# Allegro board R8-DEV-V1.0_FINAL.brd (continued)
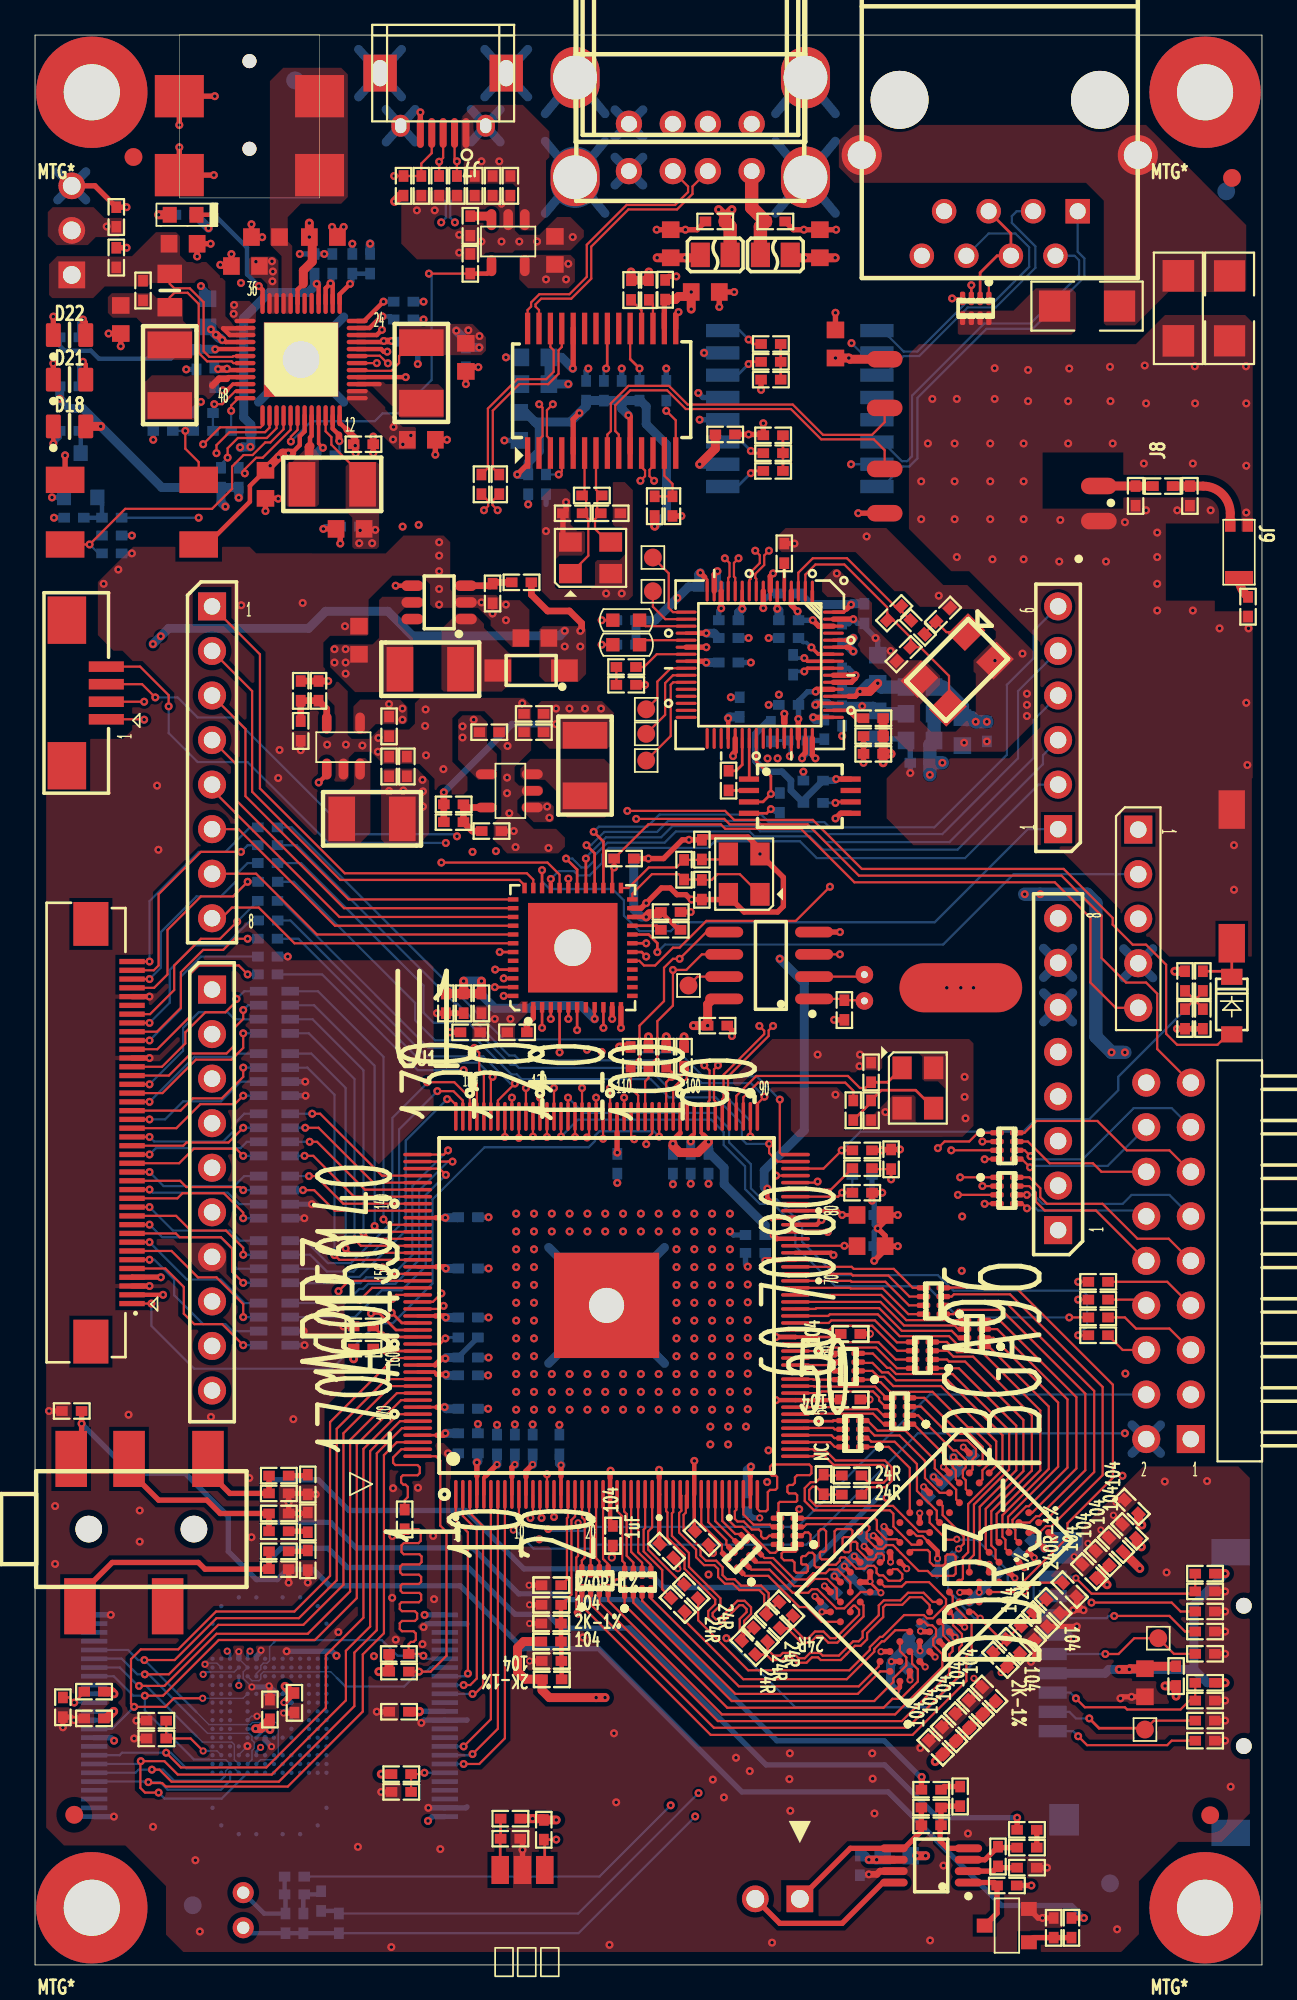
[diagram p0: board, top side]
## Nets (continued)
LCD-BL-EN: J3.31(DISP) R142.1 U33.18(GPIO1)
LCD-CLK: R131.2 U1.129(LCD_CLK)
LCD-D2: RN26.2(R2) U1.148(LCD_D2)
LCD-D3: RN26.1(R1) U1.147(LCD_D3)
LCD-D4: RN27.4(R4) U1.146(LCD_D4)
LCD-D5: RN27.3(R3) U1.145(LCD_D5)
LCD-D6: RN27.2(R2) U1.144(LCD_D6)
LCD-D7: RN27.1(R1) U1.143(LCD_D7)
LCD-D10: RN24.2(R2) U1.141(LCD_D10)
LCD-D11: RN24.1(R1) U1.140(LCD_D11)
LCD-D12: RN25.4(R4) U1.139(LCD_D12)
LCD-D13: RN25.3(R3) U1.138(LCD_D13)
LCD-D14: RN25.2(R2) U1.137(LCD_D14)
LCD-D15: RN25.1(R1) U1.136(LCD_D15)
LCD-D18: RN21.2(R2) U1.135(LCD_D18)
LCD-D19: RN21.1(R1) U1.134(LCD_D19)
LCD-D20: RN23.4(R4) U1.133(LCD_D20)
LCD-D21: RN23.3(R3) U1.132(LCD_D21)
LCD-D22: RN23.2(R2) U1.131(LCD_D22)
LCD-D23: RN23.1(R1) U1.130(LCD_D23)
LCD-DE: R134.2 U1.128(LCD_DE)
LCD-HSYNC: R132.2 U1.127(LCD_HSYNC)
LCD-VSYNC: R133.2 U1.126(LCD_VSYNC)
LINK: D17.2(CATHODE) U41.19(MFA_2 / RMII_N)
LRADC: C179.2 C308.2 D20.1(ANODE) R181.2 R182.1 U1.86(LRADC)
MICIN1: C313.2 U1.84(MICIN1)
MICM: C178.1 C311.1 C312.1 C315.1 MIC1.2(-) R95.2
MISO: J11.5 U43.7(PTE20)
MOSI: J11.4 U43.6(PTE19)
NALE: U1.7(NALE/SPI0_MISO) U36.17(ALE)
NCE0-N: U1.2(NCE0) U36.9(CE1#)
NCE1-N: U1.3(NCE1/SPI0_CS0) U36.10(CE2#)
NCLE: U1.6(NCLE/SPI0_CLK) U36.16(CLE)
NDQ0: U1.174(NDQ0/SDC2_D0) U36.29(IO0) U37.H3(DAT0)
NDQ1: U1.172(NDQ1/SDC2_D1) U36.30(IO1) U37.H4(DAT1)
NDQ2: U1.171(NDQ2/SDC2_D2) U36.31(IO2) U37.H5(DAT2)
NDQ3: U1.170(NDQ3/SDC2_D3) U36.32(IO3) U37.J2(DAT3)
NDQ4: U1.168(NDQ4/SDC2_D4) U36.41(IO4) U37.J3(DAT4)
NDQ5: U1.167(NDQ5/SDC2_D5) U36.42(IO5) U37.J4(DAT5)
NDQ6: U1.166(NDQ6/SDC2_D6) U36.43(IO6) U37.J5(DAT6)
NDQ7: U1.165(NDQ7/SDC2_D7) U36.44(IO7) U37.J6(DAT7)
NDQS: U1.162(NDQS) U36.35(NC16) U37.U5(RSTN)
NMI-N: R115.1 U1.158(NMI_N) U31.3(NINT) U33.48(IRQ)
NMI_B: R180.2 U43.21(PTA4)
NRB0-N: R124.2 U1.176(NRB0/SDC2_CMD) U36.7(RB1#) U37.W5(CMD)
NRB1-N: R122.1 U1.175(NRB1/SDC2_CLK)
NRB1-NAND: R122.2 R125.2 U36.6(RB2#) U37.W6(CLKM)
NRE-N: U1.1(NRE) U36.8(RE#)
NWE-N: U1.8(NWE/SPI0_MOSI) U36.18(WE#)
NWP-N: C248.2 R126.2 U36.19(WP#)
ODT: RN19.4(R4) U29.K1(ODT)
PA-SHDN: R190.1 U33.19(GPIO0/LDO)
PCLK: J4.7 R129.2
PWM0: J3.1(VLED-) U1.103(PB2/EINT16)
RAS: RN16.3(R3) U29.J3(RAS#)
RESET: C305.2 J12.3 J14.5 R178.2 U43.26(PTA20)
RESET-N: C180.2 C241.2 R118.1 U1.159(RESET_N) U33.25(PWROK)
RESET_16710505: C260.2 R156.1 U39.13(RESET#)
RESET_N: C273.2 R169.2 U41.45(RESET_N)
RST: RN19.2(R2) U29.T2(RESET)
RTCVDD: C204.2 C227.2 R115.2 U31.8(VDD) U33.28(LDO1)
RXIN: R173.2 T1.8(RD-) U41.10(RXIN)
RXIP: R172.2 T1.6(RD+) U41.9(RXIP)
SA0: RN17.5(R5) U1.64(DDR3_A0)
SA1: RN15.7(R7) U1.52(DDR3_A1)
SA2: RN18.7(R7) U1.66(DDR3_A2)
SA3: RN18.8(R8) U1.65(DDR3_A3)
SA4: RN15.8(R8) U1.51(DDR3_A4)
SA5: RN18.6(R6) U1.67(DDR3_A5)
SA6: RN15.6(R6) U1.54(DDR3_A6)
SA7: RN19.6(R6) U1.71(DDR3_A7)
SA8: RN15.5(R5) U1.55(DDR3_A8)
SA9: RN19.8(R8) U1.69(DDR3_A9)
SA10: RN4.7(R7) U1.48(DDR3_A10)
SA11: RN16.8(R8) U1.56(DDR3_A11)
SA12: RN4.5(R5) U1.50(DDR3_A12)
SA13: RN18.5(R5) U1.68(DDR3_A13)
SA14: RN16.7(R7) U1.57(DDR3_A14)
SBA0: RN17.6(R6) U1.63(DDR3_BA0)
SBA1: RN4.6(R6) U1.49(DDR3_BA1)
SBA2: RN17.7(R7) U1.61(DDR3_BA2)
SCAS: RN16.5(R5) U1.59(DDR3_CAS)
SCK: J11.6 U43.5(PTE18)
SCK-N: R68.2 U1.46(DDR3_CK_N)
SCK_204080: R65.2 U1.45(DDR3_CK)
SCKE: RN4.8(R8) U1.47(DDR3_CKE)
SD0-CLK: D9.1(ANODE) J5.5(CLK) TP2.1(TP) U1.110(SDC0_CLK)
SD0-CMD: D10.1(ANODE) J5.3(CMD) R140.2 U1.111(SDC0_CMD)
SD0-D0: D5.1(ANODE) J5.7(DAT0) U1.108(SDC0_D0)
SD0-D1: D6.1(ANODE) J5.8(DAT1) U1.107(SDC0_D1)
SD0-D2: D7.1(ANODE) J5.1(DAT2) U1.113(SDC0_D2)
SD0-D3: D8.1(ANODE) J5.2(DAT3) TP3.1(TP) U1.112(SDC0_D3)
SD0-DET: D11.1(ANODE) J5.9(CD#) R138.2 U1.155(PG0/EINT0)
SDQ0: RN3.5(R5) U1.22(DDR3_D0)
SDQ1: RN1.8(R8) U1.40(DDR3_D1)
SDQ2: RN3.6(R6) U1.21(DDR3_D2)
SDQ3: RN1.7(R7) U1.41(DDR3_D3)
SDQ4: RN3.8(R8) U1.19(DDR3_D4)
SDQ5: RN1.5(R5) U1.44(DDR3_D5)
SDQ6: RN3.7(R7) U1.20(DDR3_D6)
SDQ7: RN1.6(R6) U1.42(DDR3_D7)
SDQ8: RN5.7(R7) U1.37(DDR3_D8)
SDQ9: RN6.7(R7) U1.25(DDR3_D9)
SDQ10: RN5.5(R5) U1.39(DDR3_D10)
SDQ11: RN6.8(R8) U1.24(DDR3_D11)
SDQ12: RN5.8(R8) U1.36(DDR3_D12)
SDQ13: RN6.6(R6) U1.26(DDR3_D13)
SDQ14: RN5.6(R6) U1.38(DDR3_D14)
SDQ15: RN6.5(R5) U1.27(DDR3_D15)
SDQM0: R76.1 U1.29(DDR3_DM0)
SDQM1: R77.1 U1.28(DDR3_DM1)
SDQS0: R72.1 U1.31(DDR3_DQS0)
SDQS0-N: R73.1 U1.32(DDR3_DQS0_N)
SDQS1: R74.1 U1.33(DDR3_DQS1)
SDQS1-N: R75.1 U1.34(DDR3_DQS1_N)
SODT: RN19.5(R5) U1.72(DDR3_ODT)
SRAS: RN16.6(R6) U1.58(DDR3_RAS)
SRST: RN19.7(R7) U1.70(DDR3_RST)
SS: J11.3 U43.4(PTE17)
SVREF: C82.2 C84.1 C148.2 R89.1 R91.2 U1.18(SVREF)
SWD_CLK: J14.1 U43.17(PTA0)
SWD_DIO: J14.2 U43.20(PTA3)
SWE: RN17.8(R8) U1.60(DDR3_WE)
SZQ: R94.2 U1.17(DZQ)
TP-INT: J6.1 U1.151(PG4/UART1_RX/EINT4)
TP-WAKE: J6.2 U1.152(PG3/UART1_TX/EINT3)
TPX1: R139.1 U1.89(TPX1)
TPX2: R135.1 U1.87(TPX2)
TPY1: R137.1 U1.90(TPY1)
TPY2: R141.2 U1.88(TPY2)
TS: J1.2 R106.2 U33.37(TS)
TWI0-SCK: R100.2 U1.101(TWI0-SCK) U33.2(SCK)
TWI0-SDA: R99.2 U1.102(TWI0-SDA) U33.1(SDA)
TWI1-SCK: J6.4 R102.2 U1.105(PB15) U31.6(SCL)
TWI1-SDA: J6.3 R101.2 U1.106(PB16) U31.5(SDA)
TWI2-SCK: J4.3 R98.2 U1.161(PB17)
TWI2-SDA: J4.4 R97.2 U1.160(PB18)
TXON: R174.1 T1.3(TD-) U41.13(TXON)
TXOP: R175.1 T1.1(TD+) U41.12(TXOP)
UBOOT: D19.1 U1.157(UBOOT)
USB0-DM: R143.2 U1.93(UDM0)
USB0-DP: R145.2 U1.94(UDP0)
USB0-DRV: R146.2 U1.150(PB3/EINT17) U33.6(N_VBUSEN) U38.4(EN)
USB0-IDDET: D14.1(ANODE) J7.4(ID) R144.1 U1.153(PG2/EINT2)
USB1-DM: R148.2 U1.95(UDM1)
USB1-DP: R149.2 U1.96(UDP1)
USB_ACT: D16.2(CATHODE) U41.21(MFA_3 / PHY_N)
USBVBUS: C223.1 C251.2 C252.2 D15.1(ANODE) J7.1(VBUS) U33.31(VBUS) U38.1(OUT)
USER-LED: R186.2 U43.43(PTD2)
VMIC: C311.2 R188.1 U1.85(VMIC)
VPS: R121.2 R123.1 U36.38(VSS3)
VRA1: C178.2 U1.83(VRA1)
VRA2: C185.2 C186.2 R96.2 U1.82(VRA2)
VRP: C181.2 C182.2 U1.80(VRP)
VSYNC: J4.5 R127.2
WE: RN17.1(R1) U29.L3(WE)
WIFI-DM3: J8.4(D-) U39.8(DM3)
WIFI-DP3: J8.3(D+) U39.9(DP3)
X1: C261.2 R157.2 U39.6(X1) X3.1(XIN)
X2: C262.2 R157.1 U39.7(X2) X3.3(XOUT)
X24MI: C206.2 U1.92(X24MIN) X2.1(XIN)
X24MO: R103.2 U1.91(X24MOUT)
XCLK: J4.8 R130.1
XTL25N: R168.1 R171.1 U41.3(XTL25N)
XTL25P: C275.2 R168.2 U41.2(XTL25P) Y1.3
N495902: D4.1(ANODE) R120.1 SW2.1 U33.4(N_OE)
N496496: L3.1 U33.8(LX2)
N496956: C240.2 R117.1 U33.47(PWRON)
N497310: C233.2 U33.24(VREF)
N497342: R114.2 U33.23(BIAS)
N497492: L4.1 U33.15(LX3)
N497618: L2.2 U33.45(LX1)
N499376: C208.2 R104.2 R105.1 U32.5(FB)
N499488: L1.2 U32.3(LX)
N502890: C222.2 R109.2 R110.1 U34.5(FB)
N502982: L5.2 U34.3(LX)
N503747: D2.1 L6.2 U35.1(LX)
N504051: R116.1 R119.2 U35.3(FB)
N1435820: C205.2 U31.1(OSCI) X1.2
N1435862: U31.2(OSCO) X1.1
N7007752: D3.2(CATHODE) R117.2 SW1.2
N9574571: C249.2 J5.4(VDD) R136.2 R138.1 R140.1
N9585613: D12.1(ANODE) J7.2(D-) R143.1
N9585625: D13.1(ANODE) J7.3(D+) R145.1
N9585817: R147.2 U38.3(ISET)
N16446089: TP1.1(TP) U31.7(CLKO)
N16485767: D1.1(ANODE) R113.2
N16502153: D19.2 R182.2 SW3.1
N16685642: C263.1 C267.1 J9.1
N16691699: C242.2 C243.2 U37.K2(VDDI)
N16710211: R150.2 U39.4(RREF)
N16713582: C254.2 LB1.2 P1.1(VBUS1)
N16713618: C257.2 LB2.2 P1.2(VUSB2)
N16787284: R167.2 U41.38(EECK)
N16787298: TP5.1(TP) U41.26(GPIO_1)
N16787300: TP6.1(TP) U41.25(GPIO_2)
N16787317: R165.1 U42.4(DO)
N16787324: R160.2 U41.50(V_BUS)
N16787354: D17.1(ANODE) R170.1
N16787370: R166.2 U42.6(ORG)
N16787372: TP4.1(TP) U41.27(GPIO_0 / PME)
N16787386: TP7.1(TP) U41.18(MFA_1 / MDIO)
N16787390: TP8.1(TP) U41.17(MFA_0 / MDC)
N16787403: R165.2 U41.40(EEDIO) U42.3(DI)
N16787414: R163.2 U41.5(RSET_BG)
N16787467: J10.2 R164.2
N16787501: J10.1 U41.23(EXTWAKEUP_N)
N16787511: R162.2 U41.58(RREF)
N16787523: R167.1 U42.2(SK)
N16787542: U41.39(EECS) U42.1(CS)
N16787686: D16.1(ANODE) R161.2
N16792602: C290.2 R174.2 R175.2
N16792695: RN28.1(R1) T2.7(NC3) T2.8(NC4)
N16792697: C282.1 R172.1 R173.1
N16792724: T1.9(RX-) T2.6(RX-)
N16792730: T1.11(RX+) T2.3(RX+)
N16792736: T1.14(TX-) T2.2(TX-)
N16792738: T1.16(TX+) T2.1(TX+)
N16792746: RN28.2(R2) T2.4(NC1) T2.5(NC2)
N16792752: RN28.3(R3) T1.10(CRX)
N16792768: RN28.4(R4) T1.15(CTX)
N16792794: C292.2 RN28.5(R5) RN28.6(R6) RN28.7(R7) RN28.8(R8)
N16793584: C274.2 R171.2 Y1.1
N16859189: J3.5(R0) RN21.5(R5)
N16859191: J3.6(R1) RN21.6(R6)
N16859207: J3.7(R2) RN21.7(R7)
N16859209: J3.8(R3) RN21.8(R8)
N16859211: J3.9(R4) RN23.5(R5)
N16859213: J3.10(R5) RN23.6(R6)
N16859215: J3.11(R6) RN23.7(R7)
N16859217: J3.12(R7) RN23.8(R8)
N16859652: J3.13(G0) RN24.5(R5)
N16859654: J3.14(G1) RN24.6(R6)
N16859656: J3.17(G4) RN25.5(R5)
N16859658: J3.16(G3) RN24.8(R8)
N16859660: J3.15(G2) RN24.7(R7)
N16859662: J3.20(G7) RN25.8(R8)
N16859664: J3.19(G6) RN25.7(R7)
N16859666: J3.18(G5) RN25.6(R6)
N16859668: J3.21(B0) RN26.5(R5)
N16859670: J3.22(B1) RN26.6(R6)
N16859672: J3.25(B4) RN27.5(R5)
N16859674: J3.24(B3) RN26.8(R8)
N16859676: J3.23(B2) RN26.7(R7)
N16859678: J3.28(B7) RN27.8(R8)
N16859680: J3.27(B6) RN27.7(R7)
N16859682: J3.26(B5) RN27.6(R6)
N16859896: J3.30(DCLK) R131.1
N16860217: J3.34(DE) R134.1
N16860228: J3.33(VSYNC) R133.1
N16860230: J3.32(HSYNC) R132.1
N16870265: C317.1 R197.1 R198.2 U44.4(IN-)
N16870273: C314.2 R191.1 U44.2(BYPASS)
N16870291: C313.1 C315.2 MIC1.1(+) R189.1
N16870299: C312.2 R188.2 R189.2
N16870319: C320.1 R195.2
N16870325: C318.1 R193.2
N16870327: C319.1 R194.2
N16870335: R187.2 R191.2 U44.3(NC)
N16870380: Q2.1(B) R192.2 R196.1
N16870384: C316.2 FB2.1 U44.6(VDD)
N16870391: C317.2 CON1.1(-) R197.2 U44.5(VO1)
N16870411: Q2.3(C) R190.2 U44.1(SHDN#)
N16870415: CON1.2(+) U44.8(VO2)
N16880595: C309.2 Q1.1(B) R186.1
N16880599: Q1.3(C) R185.2
N16881564: D21.1(ANODE) R183.1
N16924180: D22.1(ANODE) R184.2
N16998285: C207.2 R103.1 X2.3(XOUT)
N17029739: R74.2 U29.C7(DQSU)
N17029768: R75.2 U29.B7(DQSU#)
N17030637: R73.2 U29.G3(DQSL#)
N17030639: R72.2 U29.F3(DQSL)
N17030675: R77.2 U29.D3(DMU)
N17030677: R76.2 U29.E7(DML)
N17031032: R71.2 U29.L8(ZQ)
N17033718: R154.2 U39.17(PSELF)
N17033755: R153.2 U39.18(PGANG)
N17035750: R155.2 U39.14(TEST/SCL)
N17037881: R152.1 U39.19(OVCUR2#)
N17040762: R151.1 U39.21(OVCUR1#)
N17062262: U43.3(PTE16)
N17062526: C306.2 R179.1 U43.24(PTA18) X4.1(XIN)
N17062530: C307.2 R179.2 U43.25(PTA19) X4.3(XOUT)
N17076240: C268.2 R158.1 U40.3(VCC)
N17084954: J3.37(X+) R135.2
N17084958: J3.38(Y-) R137.2
N17084962: J3.39(X-) R139.2
N17084966: J3.40(Y+) R141.1
N166855440: C264.1 J9.3
N168704690: C310.2 R187.1
N168705661: C321.2 R198.1
N168806071: D18.2(CATHODE) R185.1

Pads without a net: J2 1 2; J3 35; J12 1; J16 3; MTG* 1; MTG*#2 1; MTG*#3 1; MTG*#4 1; NOREF#3 1; NOREF#11 1; NOREF#14 1; NOREF#16 1; NOREF#28 1; NOREF#29 1; NOREF#30 1; NOREF#31 1; T1 12 13; U1 99; U29 J1 J9 L1 L9 M7; U33 29 30; U35 6; U36 3 4 5 11 14 15 20 21 22 26 27 28 33 40 45 46 47; U37 A4 A6 A9 A11 AA1 AA2 AA7 AA8 AA9 AA10 AA11 AA12 AA13 AA14 AE1 AE14 AG2 AG13 AH4 AH6 AH9 AH11 B2 B13 D1 D14 H1 H2 H6 H7 H8 H9 H10 H11 H12 H13 H14 J1 J7 J8 J9 J10 J11 J12 J13 J14 K1 K3 K5 K7 K8 K9 K10 K11 K12 K13 K14 L1 L2 L3 L4 L12 L13 L14 M1 M2 M3 M5 M8 M9 M10 M12 M13 M14 N1 N2 N3 N10 N12 N13 N14 P1 P2 P3 P10 P12 P13 P14 R1 R2 R3 R5 R12 R13 R14 T1 T2 T3 T5 T12 T13 T14 U1 U2 U3 U6 U7 U10 U12 U13 U14 V1 V2 V3 V12 V13 V14 W1 W2 W3 W7 W8 W9 W10 W11 W12 W13 W14 Y1 Y3 Y6 Y7 Y8 Y9 Y10 Y11 Y12 Y13 Y14; U39 20 22 23; U41 28 29 30 31 32 33 34 35 41 42 43 61; U42 7; U43 8 13 14 15 16 44

## Via types
v1: diameter 0.457, hole 0.203, TOP to BOTTOM, 967 vias
v2: diameter 0.406, hole 0.203, TOP to BOTTOM, 97 vias
v3: diameter 0.457, hole 0.254, TOP to BOTTOM, 3 vias

## Routing (per net, layer and track width the routed paths; a pad name or vN(x,y) marks a point on that pad's centre or on a via; arc(x,y) is an arc through that point)
A1V8: length 33.6
  TOP w0.203: 40.34,77.68 U41.11 ; U41.1 v1(44.34,77.43) ; 46.29,77.3 46.11,77.12 U41.64
  TOP w0.305: v1(40.34,77.32) 40.34,77.68 ; v1(46.54,77.55) 46.29,77.3
  L3-SIG w0.635: v1(40.34,77.32) 40.34,77.28 41.21,76.41 42.86,76.41 43.37,75.9 45.02,75.9 45.15,75.78 ; 45.15,75.78 45.59,76.22 45.59,76.6 ; 45.15,75.78 45.15,74.12 45.72,73.55 45.72,72.16 47.69,70.19 48.7,70.19 v1(51.04,67.85) 51.73,68.54 v1(51.75,68.54) ; 45.59,76.6 v1(46.54,77.55) ; 45.59,76.6 44.77,77.43 v1(44.34,77.43)
  BOTTOM w0.508: C297.2 46.6,77.61 v1(46.54,77.55) 44.46,77.55 v1(44.34,77.43) 43.57,78.19 C299.2 ; C298.2 40.12,77.1 v1(40.34,77.32)
  BOTTOM w0.762: L8.2 C280.2 51.04,69.57 C281.2 ; C281.2 v1(51.75,68.54) ; C281.2 v1(51.04,67.85)
A3V3: length 54.8
  TOP w0.203: U41.60 46.29,75.52 ; U41.59 46.29,75.12 ; 42.34,77.55 U41.6
  TOP w0.305: v1(46.67,74.89) 46.43,75.12 46.29,75.12 ; 46.29,75.52 46.55,75.52 v1(46.67,75.65) ; v1(42.34,77.32) 42.34,77.55
  TOP w0.508: v1(37.91,85.55) 38.8,86.45 C285.2
  L3-SIG w0.635: v1(54.29,70.87) v1(53.66,70.87) 50.3,70.87 49.47,71.71 49.47,73.11 48.32,74.25 47.31,74.25 v1(46.67,74.89) v1(46.67,75.65) 46.8,75.65 47.56,76.41 47.56,78.06 47.05,78.57 43.59,78.57 v1(42.34,77.32) 42.34,77.57 41.46,78.44 37.53,78.44 36.89,79.08 36.89,81.62 37.91,82.63 v1(37.91,85.55) 38.67,86.32 38.67,90.23 38.16,90.74 v1(38.16,91.9)
  BOTTOM w0.508: C288.2 46.22,75.34 ; 46.22,75.34 46.36,75.34 v1(46.67,75.65) ; 46.22,75.34 v1(46.67,74.89) ; C277.1 53.13,70.87 v1(53.66,70.87) ; T1.7 v1(38.16,91.9) ; v1(42.34,77.32) 42.43,77.22 C289.2 ; T1.2 v1(37.91,85.55)
  BOTTOM w0.762: v1(54.29,70.87) v1(53.66,70.87) 53.42,71.11 C277.1 52.89,71.74 51.78,72.85 L7.1
AVCC: length 117.4
  TOP w0.203: 42.09,43.4 U1.81
  TOP w0.254: v1(41.77,44.25) 41.77,43.72 42.09,43.4 ; U33.12 17.37,87.93 17.78,87.52
  TOP w0.381: v1(18.26,86.61) 18.26,86.21 v1(18.29,86.18) ; C232.1 18.24,86.76 18.24,87.06 17.78,87.52
  TOP w0.508: R181.1 v1(65.01,56.65)
  L3-SIG w0.508: 64.2,60.92 61.28,60.92
  L3-SIG w0.635: v1(42.48,57.36) 43.75,58.63 43.75,59.9 44.39,60.54 ; v1(65.01,56.65) 65.01,60.1 64.2,60.92 ; 61.28,60.92 60.13,62.06 50.99,62.06 49.47,60.54 44.39,60.54 ; 42.35,67.9 41.78,68.47 v1(41.78,68.78) 42.35,68.78 v1(42.35,68.79) 42.35,67.9 ; 42.35,67.9 44.39,65.87 44.39,60.54
  L4-SIG w0.508: v1(18.29,86.18) 18.29,86.59 v1(18.26,86.61)
  L4-SIG w0.635: v1(29.34,65.41) 29.21,65.53 v1(29.21,66.04) 29.21,67.13 27.66,68.68 24.19,68.68 23.29,69.58 23.29,72.9 24.07,73.67 24.07,79.46 25.08,80.47 ; v1(42.35,68.79) 41.79,68.79 v1(41.78,68.78) 41.78,68.79 41.19,68.79 40.18,69.81 38.92,69.81 36.13,72.6 36.13,76.93 32.58,80.47 26.92,80.47 ; 25.08,80.47 25.08,81.49 22.67,83.9 19.87,83.9 18.29,85.49 v1(18.29,86.18) ; 25.08,80.47 26.1,80.47
  L4-SIG w0.762: 25.08,81.49 26.1,80.47 26.92,80.47
  BOTTOM w0.508: v1(42.48,57.36) 43.88,55.96 43.88,47.58 41.59,45.3 41.59,44.36 41.69,44.25 v1(41.77,44.25)
AVDD: length 27.5
  TOP w0.305: v1(27.51,84.97) 28.09,85.56 U39.1 ; v1(31.05,88.48) 30.7,88.12 U39.5 ; U39.10 33.94,88.25 v1(33.84,88.35)
  TOP w0.508: R156.2 v1(35.34,82.02)
  BOTTOM w0.508: C256.1 33.46,88.73 v1(33.84,88.35) ; C256.1 R152.2 34.53,89.19 34.86,88.86 34.86,87.84 36.02,86.68 36.02,82.7 v1(35.34,82.02) ; C256.1 R151.2 C255.1 31.43,88.86 v1(31.05,88.48) 30.54,87.97 28.51,87.97 ; 28.51,87.97 27.96,88.51 EC4.2 ; 28.51,87.97 28.76,87.71 28.76,86.3 28.13,85.66 C253.1 v1(27.51,84.97)
D1V8: length 29.8
  TOP w0.203: 44.77,71.12 U41.49 ; U41.24 37.91,74.32 ; 39.54,70.7 U41.36 ; 37.91,75.92 U41.20 ; 44.77,71.92 U41.51
  TOP w0.254: v1(39.54,71.08) 39.54,70.7
  TOP w0.305: 44.77,71.92 44.6,71.92 v1(44.51,71.84) ; 37.91,74.32 38.22,74.32 v1(38.29,74.25) ; v1(44.39,71.12) 44.77,71.12 ; v1(38.29,75.92) 37.91,75.92
  L4-SIG w0.508: v1(47.18,71.76) 44.59,71.76 v1(44.51,71.84) 44.39,71.71 v1(44.39,71.12) 44.39,70.57 44,70.19 41.34,70.19 40.45,71.08 v1(39.54,71.08) 38.29,72.32 v1(38.29,74.25) 38.04,74.25 37.57,74.72 37.57,75.57 37.93,75.92 v1(38.29,75.92)
  BOTTOM w0.508: C278.1 47.8,71.76 v1(47.18,71.76) C279.2 45.35,71.76 45.19,71.92 44.6,71.92 v1(44.51,71.84) ; v1(38.29,75.92) 38.72,75.92 C293.2 ; v1(44.39,71.12) 44.51,71 C296.2 ; v1(39.54,71.08) 39.61,71.15 C295.2 ; C294.2 v1(38.29,74.25)
  BOTTOM w0.762: C278.1 48.23,71.33 L8.1
DVDD: length 174.5
  TOP w0.127: J3.4 v1(7.17,39.2)
  TOP w0.152: U41.16 38.34,78.98 38.2,79.12
  TOP w0.203: U1.5 25.6,27.78 25.7,27.88 ; U1.100 36.8,47.43 ; 22.87,42.6 U1.142 ; 22.82,34.2 U1.163 ; 38.12,47.32 38,47.44 U1.97 ; 46.42,72.32 U41.52 ; 42.74,70.82 U41.44
  TOP w0.254: 42.31,41.4 U1.76 ; U43.22 v1(34.86,59.75) ; R180.1 36.71,59.01 C303.2
  TOP w0.305: v2(42.1,41.61) 42.31,41.4 ; v1(38.42,46.92) 38.42,47.02 38.12,47.32 ; v1(47.05,72.6) 46.78,72.32 46.42,72.32 ; U42.8 v1(45.7,67.61) ; C259.2 35.9,94.9 35.9,93.3 ; 22.82,34.2 23.2,34.58 v1(23.4,34.58) ; J3.4 5.54,39.21 7.17,39.21 v1(7.17,39.2) ; 25.7,27.88 v2(26.35,28.53) ; v1(37.95,79.37) 38.2,79.12 ; U39.24 30.7,91.04 v1(30.67,91.02) ; 36.8,47.43 36.38,47.01 v1(36.38,46.82) ; v1(23.4,42.6) 22.87,42.6
  TOP w0.381: R110.2 C222.1 v1(16.72,73.2) ; 14.74,15.5 v2(14.2,14.96) ; v1(42.74,71.33) 42.74,70.82
  TOP w0.508: v1(20.51,100.54) 20.84,100.87 R144.2 ; R121.1 4.38,15.58 v1(4.5,15.46) ; C245.2 14.64,15.5 v2(14.26,15.88) ; D18.1 v1(3.75,87.71) ; C303.2 35.6,59.93 35.04,59.93 v1(34.86,59.75) ; C259.2 36.52,94.94 36.7,95.12 37.17,95.12 v1(37.43,95.38) v1(37.43,94.4) ; R102.1 v1(34.99,52.92) ; R100.1 v1(37.02,52.92) ; v2(13.4,13.42) C244.2 12.87,13.47 v2(12.58,13.47) ; R99.1 v1(36,52.92) ; v1(4.49,14.46) 4.08,14.05 C246.2 ; C247.2 21.91,14.43 v1(21.93,14.46) ; R101.1 v1(33.34,52.33) ; v1(48.07,73.07) 47.6,72.6 v1(47.05,72.6) ; v1(34,96.52) R153.1 R154.1 v1(35.01,96.52) ; v1(64.45,15.91) R136.1 v1(65.09,15.32) ; R98.1 v1(18.17,34.55) ; R158.2 v1(28.38,8.34) 28.94,8.34 R159.1 v1(29.73,8.26) ; v1(36.38,46.82) 36.38,46.69 36.77,46.31 37.81,46.31 v1(38.42,46.92) ; v1(19.61,16.72) R124.1 20.19,16.73 v1(20.19,17.22) R125.1 ; R126.1 v1(19.75,10.88)
  L3-SIG w0.508: v1(65.09,15.32) 64.5,15.91 v1(64.45,15.91) 64.45,20.28 65.92,21.75 J4.1
  L3-SIG w1.016: J14.3 60.26,56.98 60.26,50.38 59.4,49.51 J12.4
  L4-SIG w0.381: v1(36.64,77.93) 37.06,77.52 37.95,77.52
  L4-SIG w0.508: v1(42.74,71.33) 42.35,71.33 v1(41.85,71.84) ; v1(41.85,71.84) v1(42.43,72.42) 42.99,72.98 44,72.98 44.36,73.34 45.55,73.34 46.29,72.6 v1(47.05,72.6) 47.52,73.07 v1(48.07,73.07) ; v1(41.85,71.84) 39.18,74.51 39.18,76.28 37.95,77.52 v1(37.95,79.37) ; v1(16.72,73.2) 18.64,71.27 19.41,71.27 20.19,70.48 v1(20.19,66.93)
  BOTTOM w0.081: U37.Y4 11.37,16.7 10.02,16.7 10.01,16.7 9.92,16.7
  BOTTOM w0.127: 9.92,16.7 9.71,16.7 v2(9.59,16.57)
  BOTTOM w0.152: v2(12.26,17.89) 12.12,17.75 U37.AA5 ; v2(13.4,13.42) 13.4,13.37 13.37,13.34 13.01,13.34 U37.M6 ; U37.K6 12.62,12.16 v2(12.86,12.4) ; U37.N5 12.56,13.46 v2(12.58,13.47) ; v2(10.96,17.89) 11.12,17.73 U37.AA3 ; U37.W4 v2(11.62,15.93)
  BOTTOM w0.254: U37.U9 14.26,15.59 v2(14.26,15.88) ; U36.37 v1(4.49,14.46) ; U36.39 v1(4.5,15.46) ; v2(14.2,14.96) U37.T10
  BOTTOM w0.305: v1(4.51,12.78) 4.33,12.96 U36.34 ; U36.24 22.66,8.46 v1(22.41,8.21) ; U36.1 v1(22.22,19.96) ; C190.2 24.14,34.65 R97.1 ; U36.12 v1(21.93,14.46)
  BOTTOM w0.381: v1(45.7,67.61) 45.61,67.52 C272.2 43.82,66.4 R166.1 43.12,66.96 43.12,67.52 42.61,68.03 41.7,68.03 41.08,68.64 41.08,70.19 41.77,70.87 R169.1
  BOTTOM w0.508: v1(38.42,46.92) C191.2 38.52,46.24 39.31,45.45 39.31,44.51 41.64,42.17 C187.2 v2(42.1,41.61) ; v1(34.86,59.75) 34.58,59.75 34.15,60.18 R178.1 ; C192.2 24.11,42.6 v1(23.4,42.6) ; v1(48.07,73.07) 47.52,73.07 v1(47.05,72.6) 46.24,72.6 C284.2 ; v1(10.86,83.14) 10.6,83.4 R112.2 ; C188.1 v1(36.38,46.82) ; C190.2 23.46,34.63 v1(23.4,34.58) ; R118.2 v1(19.11,98.13) ; v1(30.42,90.13) FB1.1 EC3.2 30.03,91.65 v1(30.67,91.02) ; R112.2 7.23,84.23 v1(3.75,87.71) 2.73,88.73 1.97,88.73 v1(1.41,89.29) R183.2 ; R112.2 R111.2 v1(11.62,83.65) ; R161.1 R170.2 35.37,76.66 v1(36.64,77.93) 37.27,78.57 C287.2 37.86,79.28 v1(37.95,79.37) ; C189.2 v2(26.35,28.53)
  BOTTOM w0.762: L7.2 48.28,72.85 v1(48.07,73.07)
  vias: v1(21.01,66.95) v1(22.1,67.56) v1(22.12,66.9) v1(22.12,66.04) v1(26.22,53.93) v1(27.11,53.93)
GND: length 633.8
  TOP w0.127: v2(30.97,25.2) 30.97,23.32 30.87,23.22 30.87,20.1 ; 51.48,23.59 51.48,23.6 ; 50.92,24.15 50.62,24.45 50.29,24.45 50.09,24.65 U29.J8
  TOP w0.152: 48.22,21.22 47.61,21.83
  TOP w0.203: 10.93,89.77 11.29,90.12 U33.46 ; U33.9 16.18,86.74 v1(16.42,86.49)
  TOP w0.254: v2(51.48,23.17) 51.48,23.17 51.48,23.59 ; 51.48,23.6 50.92,24.15 ; v1(19.79,93.22) 19.49,92.92 U33.22 ; U1.79 v1(42.1,42.6) ; v1(21.14,90.52) U33.16
  TOP w0.305: v2(48.25,21.22) 48.22,21.22 ; C148.1 v2(28.21,20.53) ; C49.2 38.43,23.73 v1(38.67,23.49) ; R164.1 v1(34.8,72.98) ; C314.1 v1(57.72,5.54) ; U41.53 44.59,72.72 44.52,72.66 v1(44.52,72.59) ; v1(52.81,55.71) v1(53.53,55.71) ; v1(47.74,43.57) C185.1 v1(48.32,44.03) ; C319.2 15.5,25.74 v1(15.05,25.74) D25.2 v1(14.47,26.37) D24.2 15.5,26.88 C320.2 v1(16.01,26.83) ; v1(39.03,94.53) C258.2 v1(39.88,95.38) ; v2(52.11,13.9) 51.77,13.56 C105.2 ; U39.15 36.55,94.08 v1(36.7,94.23) ; D6.2 v1(67.88,20.15) ; C282.2 v1(41.41,89.8) ; C211.1 v1(5.22,97.9) ; v1(12.95,98.5) 12.95,98.51 C221.2 12.34,98.51 v1(12.34,99.24) ; C247.1 v1(19.49,14.43) ; v1(5.22,100.21) R106.1 3.42,101.43 J1.3 ; 17.25,98.73 C223.2 ; 17.25,98.73 17.25,98.78 v1(16.94,99.09) ; 17.25,98.73 v1(17.6,99.09) ; U43.2 28.42,53.99 v1(28.05,53.63) C304.1 ; U41.14 v1(39.14,77.34) ; v1(45.69,98.93) EC1.2 v1(43.85,98.93) 43.26,98.93 C254.1 ; v2(53.61,15.4) 53.29,15.08 C103.2 ; U41.48 44.34,68.97 v1(44.51,68.79) ; C183.1 v1(49.21,40.98) ; C183.1 48.49,41.57 v1(48.07,41.99) 48.49,42.41 C181.1 v1(49.21,42.76) ; C183.1 48.49,40.76 v1(47.87,40.14) ; v2(61.66,26.37) 61.8,26.51 C90.2 ; D10.2 v1(67.88,15.07) ; v1(45.66,65.36) 45.95,65.66 U42.5 ; v1(8.23,103.63) J2.6 v1(10.2,102.04) ; R91.1 v2(28.21,19.46) ; C84.2 v2(28.21,17.33) ; v1(10.25,106.54) J2.5 v1(8.23,104.9) ; D23.2 v1(0.8,31.58) ; U29.B3 48.26,17.87 v2(48.25,17.86) ; v1(25.28,91.09) 24.81,91.09 C224.2 v1(24.57,90.13) ; C260.1 v1(36.87,82.61) ; U29.G9 48.2,24.13 47.86,24.47 v2(47.81,24.47) ; U29.M1 v2(55.89,22.05) ; v1(38.92,79.46) 38.74,79.27 U41.15 ; v1(42.1,79.33) 41.94,79.17 U41.7 ; v2(51.32,13.14) 50.98,12.8 C106.2 ; C268.1 27.8,7.07 v1(27.8,6.56) U40.2 ; 10.93,89.77 v1(10.7,89.77) ; v1(22.83,86.1) C226.2 v1(23.5,86.95) ; U29.P9 v2(51.82,28.39) ; v2(48.8,22.97) 48.8,23.49 U29.G8 ; C205.1 v1(45.58,53.88) ; C318.2 v1(15.56,21.8) ; C179.1 v1(48.32,46.44) 48.37,46.49 R95.1 v1(49.34,46.49) ; C271.1 v1(47.25,69.55) C270.1 v1(47.25,68.54) ; C303.1 v1(37.4,60.03) ; v2(52.84,14.66) 52.5,14.32 C104.2 ; v2(60.79,24.8) 61.24,24.36 C92.2 ; U41.47 43.94,69.1 43.75,68.92 v1(43.75,68.79) ; v2(14.18,14.36) 14.77,14.36 C245.1 ; v1(35.46,98.93) EC2.2 v1(37.1,98.93) 37.77,98.93 C257.1 ; J3.3 v1(6.53,38.7) ; C36.1 47.07,35.98 v3(47.62,35.98) ; v2(53.55,16.34) 54.02,15.87 C102.2 ; U29.T1 57.81,24.65 U29.T1 ; U29.T1 v2(58.14,24.33) ; v1(4.89,92.29) C217.2 v1(4.2,93.01) ; D9.2 v1(67.88,17.74) ; v1(19.29,87.13) C232.2 v1(19.29,86.19) ; v1(16.45,81.87) C219.2 17.41,81.63 v1(17.41,81.03) ; C243.1 v1(5.78,13.93) ; D7.2 v1(67.88,12.78) ; C242.1 v1(5.65,12.91) ; 30.87,20.1 v2(30.97,20) ; U41.54 46.56,73.12 46.8,73.36 v1(46.8,73.52) U41.55 ; C83.1 57.02,17.5 v1(56.81,17.28) ; U41.37 39.94,69.17 39.81,69.04 v1(39.81,68.92) ; U29.T9 53.29,29.18 v2(52.95,29.52) ; C180.1 v1(17.59,36.41) ; v2(47.63,21.87) 47.63,22.39 U29.E8 ; v1(65.14,53.37) C308.1 v1(66.1,53.37) D20.2 ; v1(1.59,13.55) R123.2 2.05,14.13 v1(2.22,13.96) 2.32,14.05 C246.1 ; U29.F9 v2(47.29,23.86) ; C285.1 v1(40.7,87.26) 41.49,87.26 C290.1 v1(41.54,87.89) ; C204.1 39.75,53.28 v1(39.75,52.96) ; v1(61.91,15.2) 62,15.29 v1(62.55,15.29) C249.1 ; U41.8 v1(41.54,77.35) ; C265.2 v1(45.66,94.19) ; U43.12 v1(33.42,53.42) ; U31.4 v1(45.91,58.88) ; SW1.1 v1(1.71,86.06) ; U29.E2 50.54,19 v2(50.51,19.03) ; C93.2 v2(60.06,24.04) ; U29.B9 v2(45.03,21.6) ; v1(9.24,97.4) C209.2 v1(10.02,98.13) ; 13.4,15.86 13.35,15.91 v2(13.35,15.91) 13.4,15.86 ; 13.4,15.86 C244.1 ; v1(13.14,82.89) C218.2 13.85,83.61 v1(13.87,83.59) ; C35.1 32.96,23.28 v3(32.9,23.23) ; v1(43.5,77.17) 43.14,77.53 U41.4 ; U29.P1 v2(56.99,23.21) ; D21.2 v1(1.04,91.31) ; R94.1 v2(28.18,21.65) ; U41.22 v1(38.29,75.12) ; R196.2 v1(57.47,2.68) 57.21,2.68 Q2.2 ; C305.1 v1(34.99,63.08) 35.85,63.08 36.92,64.14 v1(37.3,64.14) C307.1 38.2,64.3 40.67,64.3 41.35,63.62 v1(41.35,63.34) 42.68,62 42.68,60.36 42.35,60.03 40.45,60.03 39.55,60.93 X4.4 39.25,60.74 C306.1 v1(37.45,60.74) 37.4,60.74 37.12,61.02 36.61,61.02 36.23,61.4 35.72,61.4 v1(34.86,60.54) 34.57,60.25 U43.23 ; C34.1 36.66,22.97 v2(36.66,22.59) ; U29.B1 49.9,16.25 v2(49.9,16.25) ; R90.1 v1(59.42,19.3) ; U29.D1 51.03,17.87 v2(51.34,17.56) ; D11.2 v1(67.88,21.29) ; D8.2 v1(67.88,13.93) ; v2(52.75,21.24) 52.77,21.26 U29.J2 ; C259.1 36.14,96.27 v1(36.58,96.27) ; C33.1 v3(47.6,32.23) ; v1(30.29,83.4) 30.29,82.94 C261.1 30.11,81.55 X3.4 ; C95.2 59.05,20.06 v1(59.22,20.23) v1(59.8,20.23) 59.41,20.62 R71.1 ; v1(11.2,97.54) C210.1 10.64,96.86 v1(10.57,96.93) ; D22.2 v1(1.04,93.97) ; v2(54.42,22.84) 54.42,22.39 U29.L2 ; D26.2 v1(14.47,21.79) ; v1(44.36,76.66) 44.7,76.32 U41.62 ; v2(59.27,23.27) 59.71,22.83 C94.2 ; U29.G1 v2(53.03,19.26) ; 51.48,23.17 v2(51.48,23.17) ; U43.11 v1(32.92,53.93) ; U41.63 v1(46.67,76.72) ; v1(22.92,54.26) C300.1 v1(23.94,54.26) C301.1 ; J3.36 v1(6.53,55.2) ; U29.A9 v2(44.48,21.01) ; C91.2 v2(61.5,25.64) ; U29.E1 v2(51.93,18.09) ; U29.M9 v2(50.69,27.26) ; R104.1 v1(27.3,64.64) ; R109.1 v1(15.15,69.25) ; J7.5 v1(21.98,105.62) ; C302.1 v1(23.68,53.17) ; R163.1 v1(43.32,81.03) ; C248.1 v1(19.75,9.86) ; J8.6 v1(46.95,82.77) ; J3.29 v1(6.53,51.7) ; D5.2 v1(67.88,19.01) ; 47.61,21.83 U29.D8 ; U41.46 v1(43.54,71.04)